# KiCad board mobo.kicad_pcb (continued)
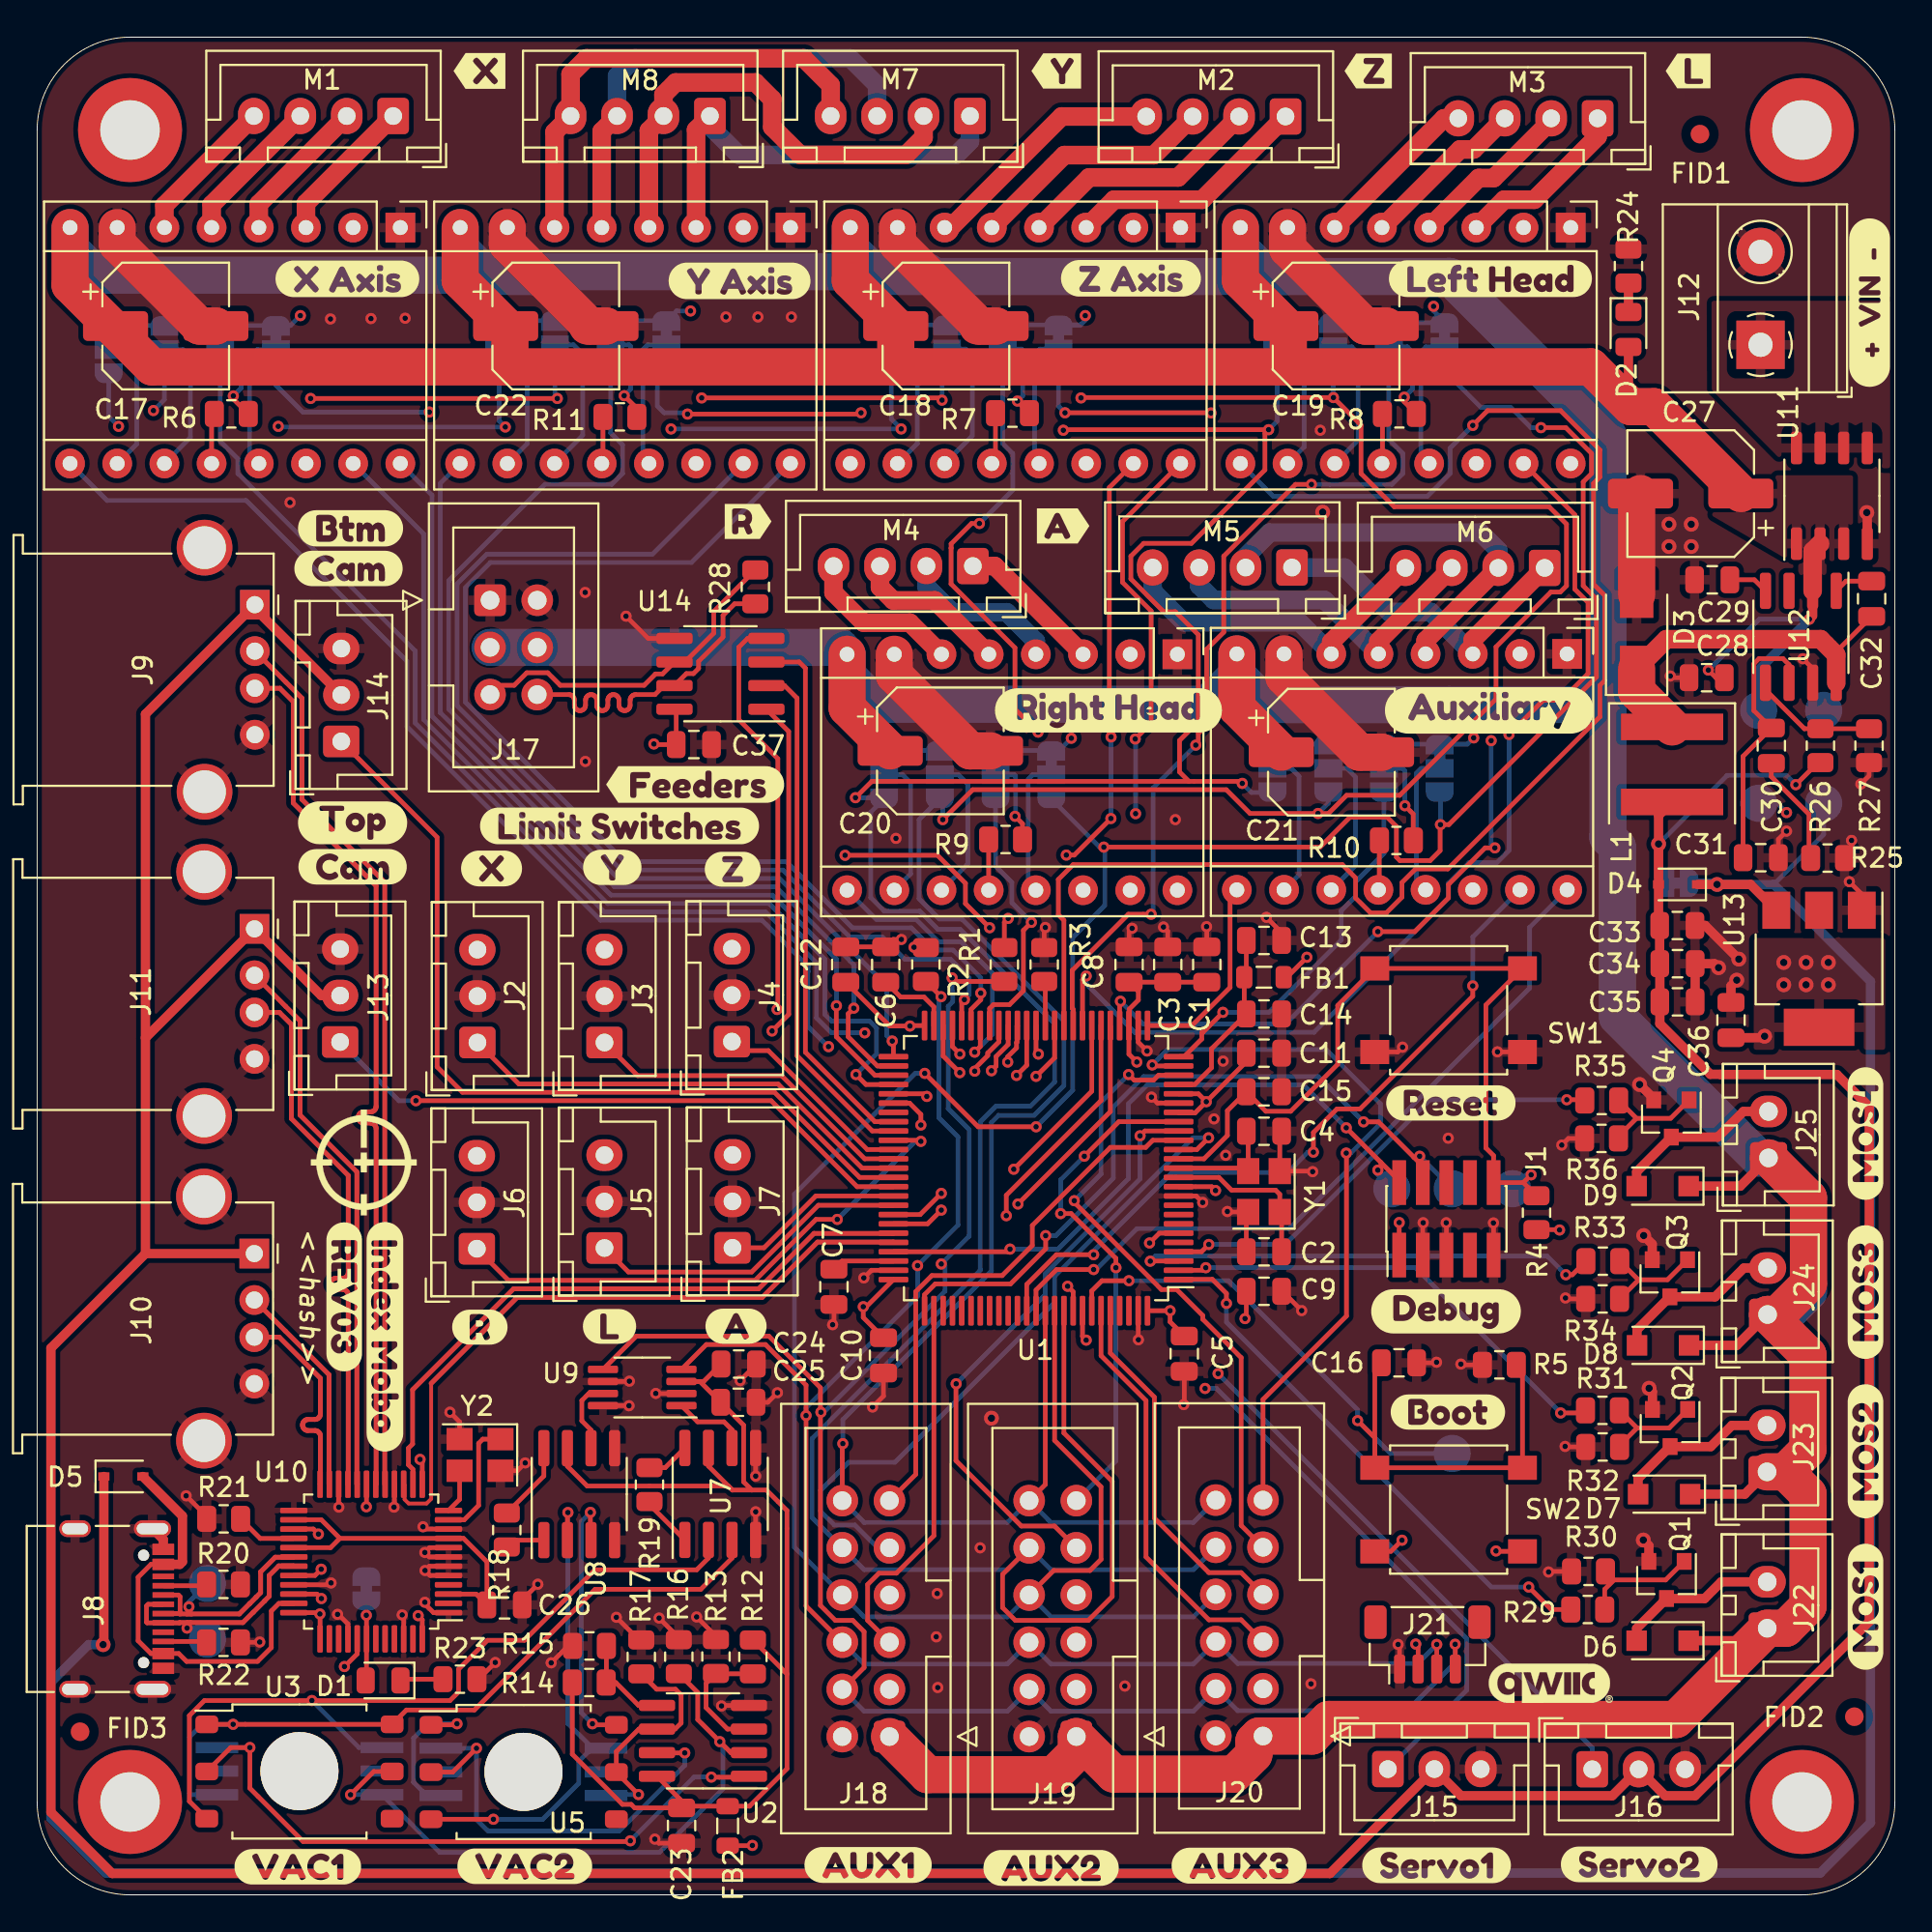
[diagram p0: board, top side]
## Routing (per net, layer and track width the routed paths; a pad name or vN(x,y) marks a point on that pad's centre or on a via; arc(x,y) is an arc through that point) (continued)
/Microcontroller/PA9_USART1_TX: length 38.7
  Top w0.25: v2(48.67,37.76) 47.53,36.62 U1.68 ; v2(39.83,47.66) 39.87,47.7 39.87,61.16 37.77,63.26 37.77,67.16 38.25,67.64 39.26,67.64
  In2.Cu w0.25: v2(39.83,47.66) 40.57,46.92 40.57,45.76 48.57,37.76 v2(48.67,37.76)
/Microcontroller/PA10_USART1_RX: length 34.5
  Top w0.25: v2(48.67,36.86) 47.93,36.12 U1.69 ; 39.26,63.83 40.45,62.63 40.45,47.39 v2(39.56,46.5)
  In2.Cu w0.25: v2(48.67,36.86) 39.56,45.97 v2(39.56,46.5)
/Microcontroller/PB0: length 82.6
  Top w0.25: v2(77.28,79.1) 78.08,79.9 82.01,79.9 84.13,77.78 84.13,76.32 83.78,75.98 83.78,70.55 84.39,69.94 84.39,65.37 84.13,65.11 84.13,63.42 75.94,55.23 74.2,55.23 73.47,54.5 73.47,53.7 72.63,52.86 71.77,52.86 70.97,53.66 70.97,54.75 70.26,55.46 55.77,55.46 54.97,54.66 54.97,52.76 55.27,52.46 U1.35
  Bottom w0.25: v2(77.28,79.1) 76.06,77.88 76.06,76.51 74.83,75.28 66.54,75.28 A3.9
/Microcontroller/PB1: length 40.7
  Top w0.25: v2(59.11,62.22) 59.97,63.08 59.97,69.11 58.42,70.65 58.42,73.92 A2.16 ; v2(53.77,44.06) 54.77,45.06 U1.36
  In2.Cu w0.25: v2(59.13,58.2) 59.13,57.09 57.43,55.39 57.43,47.72 v2(53.77,44.06)
  Bottom w0.25: v2(59.13,58.2) 59.13,62.2 v2(59.11,62.22)
/Microcontroller/PB6_I2C1_SCL: length 110.2
  Top w0.25: J21.4 76.34,13.48 v2(76.33,13.49) ; v2(49.25,49.36) 49.44,49.17 R1.2 ; J18.4 44.52,12.24 44.52,14.16 43.9,14.78 42.97,14.78 42.16,15.58 42.16,25.95 v2(42.19,25.98) 42.16,26.01 42.16,27.3 39.39,30.07 32.25,30.07 U9.5 ; U1.92 55.77,32.46 v2(55.47,32.76)
  In2.Cu w0.25: v2(48.67,33.96) 54.27,33.96 v2(55.47,32.76)
  Bottom w0.25: v2(48.67,33.96) 50.17,35.46 50.17,41.2 49.04,42.33 49.04,47.83 49.28,48.07 49.28,48.65 49.25,48.68 v2(49.25,49.36) ; v2(48.67,33.96) 48.77,33.96 48.87,33.86 ; v2(48.67,33.96) 48.77,33.86 48.87,33.86 ; 48.87,33.86 48.87,32.5 42.35,25.98 v2(42.19,25.98) ; v2(76.33,13.49) 76.33,12.5 73.74,9.91 64.62,9.91 J20.4 62.24,9.88 54.58,9.88 J19.4 52.22,9.88 44.52,9.88 J18.4
/Microcontroller/PB7_I2C1_SDA: length 99
  Top w0.25: R2.2 v2(48.66,48.35) ; J21.3 v2(75.34,13.48) ; U1.93 56.27,30.06 v2(56.47,29.86) ; J18.6 41.39,15.55 v2(41.39,25.8) 41.39,27.44 39.2,29.62 36.02,29.62 U9.4
  In2.Cu w0.25: v2(47.39,33.87) 51.4,29.86 v2(56.47,29.86)
  Bottom w0.25: v2(48.66,48.35) 48.54,48.23 48.54,41.83 49.57,40.8 49.57,36.06 47.39,33.88 v2(47.39,33.87) 47.39,32.23 41.39,26.22 v2(41.39,25.8) ; J18.6 44.52,12.42 52.22,12.42 J19.6 54.58,12.42 62.24,12.42 J20.6 64.62,12.45 74.31,12.45 v2(75.34,13.48)
/Microcontroller/PB10: length 54.9
  Top w0.25: v2(49.67,45.26) 49.27,45.66 U1.47
  In2.Cu w0.25: v2(62.87,27.26) 62.87,27.86 58.17,32.56 56.87,32.56 55.27,34.16 55.27,35.46 54.47,36.26 54.47,38.46 49.04,43.89 49.04,44.63 v2(49.67,45.26)
  Bottom w0.25: J15.1 76.96,11.02 76.96,13.79 63.49,27.26 v2(62.87,27.26)
/Microcontroller/PB11: length 54.9
  Top w0.25: U1.48 48.77,45.16 v2(49.67,44.26)
  In2.Cu w0.25: v2(63.57,28.06) 63.47,28.06 59.57,31.96 59.57,33.53 56.87,36.23 56.87,37.56 56.17,38.26 55.67,38.26 v2(49.67,44.26)
  Bottom w0.25: v2(63.57,28.06) 83.71,7.92 J16.1
/Microcontroller/PB12: length 58.3
  Top w0.25: U1.51 46.09,45.89 v2(46.03,45.96)
  Bottom w0.25: JP22.3 30.87,78.7 31.52,78.05 31.52,76.51 30.93,75.92 27.33,75.92 22.15,70.75 22.15,63.82 31.26,54.71 39.96,54.71 45.73,48.94 45.73,46.26 v2(46.03,45.96)
/Microcontroller/PB13: length 48.8
  Top w0.25: v2(43.96,47.73) 43.66,47.43 43.66,46.19 45.23,44.62 U1.52
  Bottom w0.25: A6.9 21.7,75.98 21.7,63.64 31.08,54.26 39.77,54.26 43.96,50.07 v2(43.96,47.73)
/Microcontroller/PB14: length 49.6
  Top w0.25: v2(43.03,47.86) 43.02,47.86 43.02,46.19 45.09,44.12 U1.53
  Bottom w0.25: A1.16 21.25,75.35 21.25,63.45 30.89,53.81 39.58,53.81 43.03,50.37 v2(43.03,47.86)
/Microcontroller/PB15: length 53.6
  Top w0.25: U1.54 44.61,43.62 v2(44.08,44.16)
  Bottom w0.25: A1.15 20.8,73.26 20.8,63.26 30.7,53.36 39.4,53.36 42.4,50.36 42.4,47.39 42.77,47.02 44.82,47.02 45.19,46.66 45.19,45.27 v2(44.08,44.16)
/Microcontroller/PC4: length 56.1
  Top w0.25: v2(56.47,49.46) 56.27,49.26 U1.33 ; v2(79.23,62.46) 81.08,64.31 82.06,64.31 83.49,65.74 83.49,69.57 82.78,70.28 82.78,74.28 A3.15
  Bottom w0.25: v2(79.23,62.46) 79.23,56.22 78.57,55.56 77.07,55.56 75.97,54.46 75.97,53.66 68.74,46.43 59.08,46.43 56.47,49.04 v2(56.47,49.46)
/Microcontroller/PC5: length 46.7
  Top w0.25: v2(59.97,52.79) 58.74,52.79 55.72,49.77 55.72,47.71 55.77,47.66 U1.34 ; v2(68.59,75.92) 67.74,75.92 63.87,72.06 63.87,67.97 62.96,67.05 62.96,62.97 62.51,62.52 62.51,62.03 v2(62.37,61.89)
  Bottom w0.25: v2(59.97,52.79) 60.07,52.89 60.07,59.59 v2(62.37,61.89) ; v2(68.59,75.92) 72.93,75.92 73.52,76.51 73.52,77.59 72.76,78.35 JP10.3
/Microcontroller/PD6: length 39.4
  Top w0.25: v2(77.28,48.93) 77.28,48.37 71.21,42.31 69.97,42.31 68.7,41.04 v2(68.7,39.98) ; U1.87 53.27,32.86 54.87,34.46 v2(56.87,34.46)
  Bottom w0.25: v2(77.28,48.93) 77.28,51.56 A5.15 ; v2(68.7,39.98) 68.4,39.98 67.31,38.88 61.09,38.88 56.87,34.66 v2(56.87,34.46)
/Microcontroller/PD7: length 40.5
  Top w0.25: U1.88 53.77,32.56 54.87,33.66 v2(56.87,33.66)
  Bottom w0.25: v2(56.87,33.66) 57,33.66 59.2,35.86 67.4,35.86 80.34,48.8 80.34,52.08 A5.16
/Microcontroller/PD8: length 62.7
  Top w0.25: v2(47.89,42.98) 47.75,43.12 U1.55
  In2.Cu w0.25: v2(47.89,42.98) 44.55,46.32 v2(44.55,46.4)
  Bottom w0.25: v2(44.55,46.4) 44.54,46.41 42.75,46.41 41.95,47.21 41.95,50.17 39.21,52.91 30.52,52.91 20.35,63.08 20.35,66.96 10.8,76.51 10.8,77.3 9.85,78.26 JP2.3
/Microcontroller/PD9: length 67.4
  Top w0.25: U1.56 46.96,42.62 47.57,42.01 v2(47.57,41.44)
  In2.Cu w0.25: v2(47.57,41.44) 45.87,41.44 42.6,44.71 v2(42.6,45.66)
  Bottom w0.25: A1.9 3.76,75.06 11.25,75.06 19.9,66.41 19.9,62.89 30.33,52.46 39.02,52.46 41.5,49.98 41.5,49.7 41.49,49.69 41.49,46.75 42.44,45.8 42.46,45.8 v2(42.6,45.66)
/Microcontroller/PD11: length 29.2
  Top w0.25: U1.58 45.09,41.62 41.35,45.36 41.35,66.03 41.02,66.36 39.26,66.36
/Microcontroller/PD12: length 28
  Top w0.25: U1.59 44.96,41.12 40.9,45.17 40.9,64.42 40.23,65.09 39.26,65.09
/Microcontroller/PE2: length 29.4
  Top w0.25: R29.1 81.5,15.36 v2(80.29,16.57) ; v2(64.02,31.84) 64.02,32.37 63.26,33.14 61.46,33.14 U1.1
  Bottom w0.25: v2(64.02,31.84) 64.02,30.83 78.28,16.57 v2(80.29,16.57)
/Microcontroller/PE3: length 25.3
  Top w0.25: R31.1 83.21,25.94 v2(82.01,25.94) ; v2(62.91,33.76) 62.77,33.62 U1.2
  Bottom w0.25: v2(82.01,25.94) 74.19,33.76 v2(62.91,33.76)
/Microcontroller/PE4: length 25.8
  Top w0.25: v2(82.29,33.38) 82.64,33.38 R33.1 ; U1.3 59.93,34.12 v2(59.92,34.11)
  Bottom w0.25: v2(59.92,34.11) 60.2,34.39 81.28,34.39 v2(82.29,33.38)
/Microcontroller/PE5: length 25.3
  Top w0.25: R35.1 83.27,42.8 v2(82.34,42.8) ; U1.4 62.68,34.62 v2(63.07,35.01)
  Bottom w0.25: v2(82.34,42.8) 74.97,42.8 67.18,35.01 v2(63.07,35.01)
/Microcontroller/PE7: length 35.8
  Top w0.25: v2(57.8,57.94) 55.83,55.97 v2(55.4,55.97) ; v2(53.9,45.26) 53.77,45.39 U1.38 ; v2(57.81,62.33) 57.71,62.43 57.71,75.75 A2.15
  In2.Cu w0.25: v2(55.4,55.97) 54.97,55.54 54.97,46.33 v2(53.9,45.26)
  Bottom w0.25: v2(57.81,62.33) 57.81,57.95 v2(57.8,57.94)
/Microcontroller/PE8: length 45.8
  Top w0.25: v2(52.72,44.11) 53.27,44.66 U1.39 ; v2(53.88,62.59) 52.63,63.84 52.63,67.13 49.19,70.57 49.19,72.49 49.2,72.5 49.2,72.72 50.3,73.82 v2(50.72,73.82)
  In2.Cu w0.25: v2(52.72,44.11) 52.9,44.29 52.9,52.86 52.47,53.29 52.47,54.61 53.22,55.36 53.67,55.36 54.07,55.76 54.07,62.4 v2(53.88,62.59)
  Bottom w0.25: JP6.3 51.98,78.13 52.52,77.59 52.52,75.62 v2(50.72,73.82)
/Microcontroller/PE9: length 43.2
  Top w0.25: v2(43.49,55.96) 48.47,55.96 49.97,54.46 49.97,53.36 v2(51.27,52.06) ; v2(52.24,44.83) 52.24,45.12 52.72,45.59 52.72,45.88 52.75,45.9 52.75,46.77 U1.40
  In2.Cu w0.25: v2(51.27,52.06) 52.24,51.09 v2(52.24,44.83) ; v2(43.49,55.96) 40.87,58.58 40.87,74.15 A2.9
/Microcontroller/PE10: length 20.6
  Top w0.25: U1.41 52.27,45.78 51.62,45.13 51.62,44.61 v2(51.37,44.36)
  In2.Cu w0.25: A4.16 61.38,50.17 54.07,42.86 52.57,42.86 51.37,44.06 v2(51.37,44.36)
/Microcontroller/PE11: length 28.2
  Top w0.25: v2(50.47,44.34) 50.47,44.48 51.17,45.18 51.17,45.32 51.77,45.92 U1.42
  In2.Cu w0.25: v2(50.47,44.34) 50.47,44.23 52.34,42.36 54.37,42.36 61.99,49.98 61.99,52.78 62.67,53.46 62.67,54.66 61.97,55.36 60.12,55.36 A4.15
/Microcontroller/PE12: length 14.4
  Top w0.25: U1.43 51.27,47.71 51.48,47.92 52.34,47.92 53.09,48.67 53.09,51.92 v2(53.52,52.35)
  Bottom w0.25: v2(53.52,52.35) 52.47,53.4 52.47,54.5 51.59,55.38 JP14.3
/Microcontroller/PE13: length 15.9
  Top w0.25: U1.44 50.77,45.67 v2(50.47,45.36)
  Bottom w0.25: v2(50.47,45.36) 51.42,46.32 51.42,49.61 49.72,51.31 48.51,51.31 47.32,52.5 45.18,52.5 A4.9
/Microcontroller/PE14: length 63.1
  Top w0.25: v2(50.8,48.54) 50.8,48.19 50.27,47.66 U1.45
  Bottom w0.25: v2(50.8,48.54) 50.8,49.37 49.31,50.86 48.25,50.86 47.05,52.05 43.89,52.05 40.33,55.61 31.64,55.61 23.05,64.2 23.05,70.38 24.4,71.72 35.22,71.72 A6.16
/Microcontroller/PE15: length 61
  Top w0.25: U1.46 49.77,48.04 v2(49.91,48.19)
  Bottom w0.25: v2(49.91,48.19) 50.17,48.44 50.17,49.36 49.17,50.36 46.71,50.36 45.51,51.56 43.75,51.56 40.14,55.16 31.45,55.16 22.6,64.01 22.6,70.56 24.21,72.17 33.13,72.17 A6.15
/Microcontroller/SWCLK: length 40.9
  Top w0.25: U1.76 47.77,32.31 48.34,32.88 52.39,32.88 54.29,34.78 v2(54.29,35.49) ; J1.4 74.59,39.23 74.11,39.7 ; 74.11,39.7 72.21,41.61 v2(71.4,41.61) ; 74.11,39.7 74.36,39.7 v2(74.42,39.76)
  Bottom w0.25: v2(71.4,41.61) 68.96,44.05 59.57,44.05 57.93,42.41 57.93,38.58 54.83,35.49 v2(54.29,35.49) ; v2(74.42,39.76) TP4.1
/Microcontroller/SWDIO: length 37.3
  Top w0.25: 72.33,39.42 73.32,38.44 J1.2 ; 72.33,39.42 v2(70.47,41.29) ; 72.33,39.42 72.33,39.17 v2(72.17,39.01) ; U1.72 52.23,34.62 v2(52.37,34.76)
  Bottom w0.25: TP5.1 72.17,38.76 v2(72.17,39.01) ; v2(70.47,41.29) 68.16,43.6 59.75,43.6 58.74,42.59 58.74,38.55 54.95,34.76 v2(52.37,34.76)
/Microcontroller/USB_D+: length 36.7
  Top w0.2: 21.21,27.53 21.21,21.32 20.96,21.06 20,21.06 19.78,21.28 19.78,22.05 U10.15
  Top w0.261: 21.21,27.53 25.84,32.16 39.03,32.16 42.01,35.14 46.08,35.14 U1.71
/Microcontroller/USB_D-: length 34.7
  Top w0.25: U10.14 20.23,22.91 19.99,23.15 19.99,24.04 20.21,24.27 20.21,27.19
  Top w0.261: U1.70 46.08,35.6 41.81,35.6 38.83,32.62 25.64,32.62 20.21,27.19
/Motor control/Motor AUX/1A: length 22.3
  Top w1: A5.4 74.74,67.52 M6.2
  Bottom w1: M6.2 78.65,72.38 77.7,73.33 66.34,73.33 65.05,72.04 M5.2
/Motor control/Motor AUX/1B: length 17.9
  Top w1: A5.3 77.28,67.56 M6.1
  Bottom w1: A5.3 75.02,69.06 72.77,69.06 70.38,71.45 M5.1
/Motor control/Motor AUX/2A: length 18.4
  Top w1: M6.3 72.2,67.48 A5.5
  Bottom w1: A5.5 69.3,69.7 63.33,69.7 62.55,70.48 M5.3
/Motor control/Motor AUX/2B: length 18.6
  Top w1: M6.4 69.66,67.44 A5.6
  Bottom w1: M5.4 60.05,70.18 61.73,68.5 67.96,68.5 A5.6
/Motor control/Motor AUX/MS0: length 8.1
  Bottom w0.25: A5.10 67.93,54.91 67.93,60.21 67.5,60.64 JP17.2
/Motor control/Motor AUX/MS1: length 8.3
  Bottom w0.25: A5.11 70.97,55.41 70.97,60.17 70.5,60.64 JP19.2
/Motor control/Motor AUX/MS2: length 4.8
  Top w0.25: 74.07,57.12 74.07,58.18 v2(73.62,58.63)
  Bottom w0.25: v2(73.62,58.63) 73.62,60.52 73.5,60.64 JP18.2
/Motor control/Motor AUX/RESET: length 7.8
  Bottom w0.25: JP20.2 74.5,60.64 74.25,60.39 74.25,54.59 A5.13
/Motor control/Motor left/1A: length 9.1
  Top w1: A3.4 77.6,92.42 78.41,92.42 81.5,95.5 M3.2
/Motor control/Motor left/1B: length 9.5
  Top w1: A3.3 78.97,91.25 80.6,91.25 84,94.66 M3.1
/Motor control/Motor left/2A: length 9
  Top w1: M3.3 77.32,93.95 76.59,93.95 A3.5
/Motor control/Motor left/2B: length 9.1
  Top w1: A3.6 75.73,95.63 M3.4
/Motor control/Motor left/MS0: length 7.8
  Bottom w0.25: JP9.2 67.76,83.33 68.2,82.89 68.2,77.94 A3.10
/Motor control/Motor left/MS1: length 7.9
  Bottom w0.25: A3.11 71.11,78.31 71.11,82.98 70.76,83.33 JP11.2
/Motor control/Motor left/MS2: length 5.2
  Top w0.25: R8.2 73.59,80.37 v2(73.59,80.62)
  Bottom w0.25: v2(73.59,80.62) 74.03,81.06 74.03,83.06 73.76,83.33 JP10.2
/Motor control/Motor left/RESET: length 7.6
  Bottom w0.25: A3.13 74.49,77.49 74.49,83.06 74.76,83.33 JP12.2
/Motor control/Motor right/1A: length 8.9
  Bottom w1: A4.4 53.76,67.48 52.2,69.04 49.26,69.04 47.87,70.43 M4.2
/Motor control/Motor right/1B: length 7.9
  Top w1: M4.1 51.55,71.53 A4.3
/Motor control/Motor right/2A: length 8.5
  Top w1: M4.3 45.37,70.39 46.08,69.68 48.32,69.68 A4.5
/Motor control/Motor right/2B: length 8.6
  Top w1: M4.4 42.87,70.1 44.49,68.48 46.98,68.48 A4.6
/Motor control/Motor right/MS0: length 7.8
  Bottom w0.25: A4.10 47.02,54.96 47.02,59.87 46.59,60.3 JP13.2
/Motor control/Motor right/MS1: length 8
  Bottom w0.25: A4.11 50.09,55.49 50.09,59.78 50.1,59.79 49.59,60.3 JP15.2
/Motor control/Motor right/MS2: length 4.7
  Top w0.25: v2(52.64,58.06) 53.04,57.66 R9.2
  Bottom w0.25: v2(52.64,58.06) 52.67,58.09 52.67,60.22 52.59,60.3 JP14.2
/Motor control/Motor right/RESET: length 7.5
  Bottom w0.25: JP16.2 53.59,60.3 53.35,60.06 53.35,54.49 A4.13
/Motor control/Motor X/1A: length 8
  Top w1: M1.2 11.93,91.02 A1.4
/Motor control/Motor X/1B: length 7.9
  Top w1: A1.3 14.47,91.06 M1.1
/Motor control/Motor X/2A: length 8
  Top w1: M1.3 9.39,90.98 A1.5
/Motor control/Motor X/2B: length 8
  Top w1: A1.6 6.85,90.94 M1.4
/Motor control/Motor X/MS0: length 7.8
  Bottom w0.25: JP1.2 4.85,83.18 5.36,82.67 5.36,78.1 A1.10
/Motor control/Motor X/MS1: length 7.9
  Bottom w0.25: A1.11 8.25,78.45 8.25,82.78 7.85,83.18 JP3.2
/Motor control/Motor X/MS2: length 4.7
  Top w0.25: v2(10.56,80.69) 10.56,80.52 R6.2
  Bottom w0.25: v2(10.56,80.69) 10.98,81.11 10.98,82.5 10.31,83.18 JP2.2
/Motor control/Motor X/RESET: length 7.5
  Bottom w0.25: JP4.2 11.85,83.18 11.44,82.77 11.44,77.54 A1.13
/Motor control/Motor Y/1A: length 25.8
  Top w1: M7.2 47.72,94.61 46.77,93.66 41.07,93.66 39.57,95.16 39.57,96.66 38.67,97.56 34.37,97.56 33.72,96.91 M8.2 32.93,94.97 A6.4
/Motor control/Motor Y/1B: length 23.2
  Top w1: M8.1 35.47,95.01 A6.3
  Bottom w1: M8.1 36.22,95.22 37.77,93.66 49.47,93.66 50.22,94.41 M7.1
/Motor control/Motor Y/2A: length 25.2
  Top w1: A6.5 30.39,94.93 M8.3
  Bottom w1: M8.3 31.22,97.91 32.17,98.86 43.77,98.86 45.22,97.42 M7.3
/Motor control/Motor Y/2B: length 25.2
  Top w1: A6.6 27.85,94.89 M8.4 28.72,98 29.57,98.86 41.27,98.86 42.72,97.42 M7.4
/Motor control/Motor Y/MS0: length 8
  Bottom w0.25: JP21.2 25.87,83.44 26.38,82.93 26.38,78.12 A6.10
/Motor control/Motor Y/MS1: length 8.2
  Bottom w0.25: JP23.2 28.87,83.44 29.37,82.94 29.37,78.57 A6.11
/Motor control/Motor Y/MS2: length 5.3
  Top w0.25: v2(31.6,80.7) 32.28,80.02 R11.2
  Bottom w0.25: v2(31.6,80.7) 31.95,81.05 31.95,83.36 31.87,83.44 JP22.2
/Motor control/Motor Y/RESET: length 7.6
  Bottom w0.25: JP24.2 32.87,83.44 32.61,83.18 32.61,77.37 A6.13
/Motor control/Motor Z/1A: length 13.2
  Top w1: M2.2 61.42,92.45 56.63,92.45 A2.4
/Motor control/Motor Z/1B: length 13.2
  Top w1: M2.1 62.72,91.25 57.97,91.25 A2.3
/Motor control/Motor Z/2A: length 13.3
  Top w1: A2.5 55.29,93.65 60.12,93.65 M2.3
/Motor control/Motor Z/2B: length 13.3
  Top w1: M2.4 55.15,95.73 49.17,89.75 A2.6
/Motor control/Motor Z/MS0: length 7.8
  Bottom w0.25: JP5.2 46.98,83.21 47.38,82.81 47.38,78.12 A2.10
/Motor control/Motor Z/MS1: length 7.9
  Bottom w0.25: JP7.2 49.98,83.21 50.34,82.85 50.34,78.54 A2.11
/Motor control/Motor Z/MS2: length 4.9
  Top w0.25: v2(52.77,80.41) 52.77,80.4 R7.2
  Bottom w0.25: v2(52.77,80.41) 53.06,80.7 53.06,83.13 52.98,83.21 JP6.2
/Motor control/Motor Z/RESET: length 7.4
  Bottom w0.25: JP8.2 53.98,83.21 53.69,82.92 53.69,77.29 A2.13
/RS485/RS-485+: length 18.3
  Top w0.25: R28.1 36.42,69.08 36.42,67.92 34.87,66.36 U14.6 33.66,65.72 33.28,65.72 32.67,65.11 28.16,65.11 27.48,65.79 26.36,65.79 25.68,65.11 24.88,65.11 J17.5
/RS485/RS-485-: length 18.3
  Top w0.25: R28.2 37.54,69.5 36.92,68.88 36.92,67.71 35.61,66.4 35.61,66.02 35.33,65.74 34.95,65.74 U14.7 33.74,65.09 33.26,64.61 32.22,64.61 32.15,64.6 32.09,64.58 32.03,64.54 31.99,64.5 31.95,64.44 31.93,64.38 31.92,64.31 31.92,64.05 31.91,63.98 31.89,63.92 31.85,63.86 31.81,63.81 31.75,63.78 31.69,63.75 31.62,63.75 31.55,63.75 31.49,63.78 31.43,63.81 31.39,63.86 31.35,63.92 31.33,63.98 31.32,64.05 31.32,64.31 31.31,64.38 31.29,64.44 31.25,64.5 31.21,64.54 31.15,64.58 31.09,64.6 31.02,64.61 30.95,64.6 30.89,64.58 30.83,64.54 30.79,64.5 30.75,64.44 30.73,64.38 30.72,64.31 30.72,64.05 30.71,63.98 30.69,63.92 30.65,63.86 30.61,63.81 30.55,63.78 30.49,63.75 30.42,63.75 30.35,63.75 30.29,63.78 30.23,63.81 30.19,63.86 30.15,63.92 30.13,63.98 30.12,64.05 30.12,64.31 30.11,64.38 30.09,64.44 30.05,64.5 30.01,64.54 29.95,64.58 29.89,64.6 29.82,64.61 29.75,64.6 29.69,64.58 29.63,64.54 29.59,64.5 29.55,64.44 29.53,64.38 29.52,64.31 29.52,64.05 29.51,63.98 29.49,63.92 29.45,63.86 29.41,63.81 29.35,63.78 29.29,63.75 29.22,63.75 29.15,63.75 29.09,63.78 29.03,63.81 28.99,63.86 28.95,63.92 28.93,63.98 28.92,64.05 28.92,64.31 28.91,64.38 28.89,64.44 28.85,64.5 28.81,64.54 28.75,64.58 28.69,64.6 28.62,64.61 J17.6
/USB/1.8: length 18.6
  Top w0.25: U10.29 15.8,18.69 16.3,19.19 ; U10.26 15.3,20.19 16.3,19.19 ; U10.3 23.63,16.19 C26.1 24.21,17.93 22.95,19.19 U10.9 16.3,19.19
/USB/1D+: length 11.6
  Top w0.261: J10.3 13.03,30.02 15.25,27.81 15.25,25.89 15.24,25.83 15.22,25.76 15.18,25.71 15.13,25.66 15.08,25.62 15.01,25.6 14.95,25.59 14.59,25.59 14.52,25.58 14.46,25.56 14.4,25.53 14.35,25.48 14.32,25.42 14.29,25.36 14.29,25.29 14.29,25.23 14.32,25.16 14.35,25.11 14.4,25.06 14.46,25.02 14.52,25 14.59,24.99 14.95,24.99 15.01,24.98 15.08,24.96 15.13,24.93 15.18,24.88 15.22,24.82 15.24,24.76 15.25,24.69 15.25,22.12 U10.24
/USB/1D-: length 11.6
  Top w0.261: U10.23 15.71,22.12 15.71,28 J10.2
/USB/2D+: length 29.7
  Top w0.261: U10.21 16.75,22.12 16.75,32.29 16.74,32.36 16.72,32.42 16.68,32.48 16.63,32.53 16.58,32.56 16.51,32.58 16.45,32.59 16.09,32.59 16.02,32.6 15.96,32.62 15.9,32.66 15.85,32.71 15.82,32.76 15.79,32.83 15.79,32.89 15.79,32.96 15.82,33.02 15.85,33.08 15.9,33.13 15.96,33.16 16.02,33.18 16.09,33.19 16.45,33.19 16.51,33.2 16.58,33.22 16.63,33.26 16.68,33.31 16.72,33.36 16.74,33.43 16.75,33.49 16.75,38.72 13.69,41.78 13.69,46.86 13.04,47.5 J11.3
/USB/2D-: length 29.7
  Top w0.261: J11.2 14.15,47.05 14.15,41.98 17.21,38.92 17.21,22.12 U10.20
/USB/3D+: length 47.8
  Top w0.261: U10.18 18.25,22.12 18.25,41.25 18.24,41.31 18.22,41.38 18.18,41.43 18.13,41.48 18.08,41.52 18.01,41.54 17.95,41.55 17.59,41.55 17.52,41.56 17.46,41.58 17.4,41.61 17.35,41.66 17.32,41.72 17.29,41.78 17.29,41.85 17.29,41.91 17.32,41.98 17.35,42.03 17.4,42.08 17.46,42.12 17.52,42.14 17.59,42.15 17.95,42.15 18.01,42.16 18.08,42.18 18.13,42.21 18.18,42.26 18.22,42.32 18.24,42.38 18.25,42.45 18.25,54.31 13.79,58.77 13.79,64.23 13.06,64.95 J9.3
/USB/3D-: length 47.8
  Top w0.261: U10.17 18.71,22.12 18.71,54.51 14.25,58.97 14.25,64.42 J9.2
/USB/DRV: length 4.3
  Top w0.25: v2(17.72,15.05) 17.73,15.04 U10.42 17.73,11.59 D1.2
  Bottom w0.25: v2(17.72,15.05) JP25.1
/USB/MD+: length 13.5
  Top w0.25: J8.A6 5.97,15.64 5.88,15.55 5.88,14.68 5.92,14.64 J8.B6 ; v2(8.07,14.36) 8.07,14.36 8.07,14.66 8.27,14.66
  Top w0.261: J8.B6 7.66,14.64 7.68,14.66 11.08,14.66 11.63,15.22 11.64,15.22 12.25,15.83 12.25,15.83 12.49,16.07 12.49,17.19 13.01,17.71 13.8,17.71 U10.31
  Bottom w0.25: v2(8.07,14.36) 8.57,14.36 TP2.1
/USB/MD-: length 14
  Top w0.25: v2(8.17,15.51) 8.17,15.23 8.06,15.12 8.31,15.12 ; J8.A7 7.61,15.14 7.7,15.23 7.7,16.05 7.61,16.14 J8.B7
  Top w0.261: U10.30 13.8,18.17 12.81,18.17 12.03,17.39 12.03,16.27 11.79,16.02 11.79,16.02 11.45,15.68 11.44,15.68 10.88,15.12 7.68,15.12 7.66,15.14 J8.A7
  Bottom w0.25: TP1.1 8.17,15.76 v2(8.17,15.51)
/Vacuum sensors/Vacuum sensor 1/OUT: length 4.2
  Top w0.25: U9.1 35.55,25.46 36.97,25.46 37.41,25.03 37.41,24.06
/Vacuum sensors/Vacuum sensor 2/OUT: length 4.1
  Top w0.25: U8.6 29.81,25.02 29.32,25.52 29.32,26.61 29.69,26.99 U9.7
VDC: length 506.3
  Top w0.25: 95.58,68.84 v2(95.4,68.67) ; v2(89.96,65.93) 90.37,65.52 C28.2
  Top w0.5: D6.1 92.46,13.68 J22.1 ; 85.78,80.11 85.66,80.23 D2.2 ; D9.1 91.68,38.15 J25.1 ; J23.1 91.92,21.57 D7.1 ; J24.1 91.49,29.58 D8.1 ; U12.2 95.58,68.84
  Top w1: U12.2 95.58,72.34 U11.2
  Top w2: 46.45,82.25 46.22,82.48 C18.1 43.77,86.9 A2.8 ; 46.45,82.25 67.35,82.25 ; 46.45,82.25 25.45,82.25 ; A4.8 43.6,63.9 C20.1 ; 25.45,82.25 25.45,84.22 C22.1 22.77,86.9 A6.8 ; 25.45,82.25 6.18,82.25 1.77,86.66 A1.8 ; J18.1 47.93,6.47 54.74,6.47 55.94,7.67 J19.1 57.96,6.5 64.43,6.5 65.5,7.57 65.5,8.28 65.77,8.55 J20.1 68.63,8.55 69.52,9.44 88.22,9.44 J22.1 94.13,14.35 95.33,15.55 95.33,21.56 94.12,22.77 ; J25.1 95.35,37.52 95.35,32.89 93.7,31.24 J24.1 95.32,29.07 95.32,23.97 94.12,22.77 ; 67.35,82.25 83.64,82.25 85.78,80.11 87.03,80.11 C27.1 ; 67.35,82.25 67.35,84.32 64.77,86.9 A3.8 ; 94.12,22.77 J23.1 ; A5.8 64.58,63.9 C21.1
  Bottom w0.25: v2(89.96,65.93) 92.7,68.67 v2(95.4,68.67)
  Bottom w0.5: TP8.1 92.67,65.94 v2(95.4,68.67)
  Bottom w2: J22.1 94.13,14.35 95.33,15.55 95.33,21.56 94.12,22.77 ; A3.8 64.77,88.62 66.27,87.12 67.32,87.12 ; 67.32,87.12 48.18,87.12 ; 67.32,87.12 76.03,87.12 84.55,78.6 84.55,65.23 ; J23.1 94.12,22.77 ; 94.12,22.77 95.32,23.97 95.32,29.07 J24.1 94.15,31.24 95.35,32.44 95.35,37.52 J25.1 92.65,39.67 85.06,47.26 85.06,56.42 84.55,56.93 84.55,65.23 ; 64.58,65.67 66.18,64.07 83.39,64.07 84.55,65.23 ; 64.58,65.67 A5.8 ; 64.58,65.67 63,64.09 45.16,64.09 43.6,65.65 A4.8 43.23,67.15 J17.4 J17.3 ; 26.72,87.12 24.27,87.12 22.77,88.62 A6.8 ; 26.72,87.12 26.97,87.37 47.93,87.37 48.18,87.12 ; 26.72,87.12 26.65,87.19 3.2,87.19 1.77,88.62 A1.8 ; 48.18,87.12 45.27,87.12 43.77,88.62 A2.8
Net-(A1-Pad12): length 2.7
  Top w0.25: A1.12 9.39,79.57 R6.1
Net-(A2-Pad12): length 2.8
  Top w0.25: A2.12 51.59,77.25 R7.1
Net-(A3-Pad12): length 2.7
  Top w0.25: R8.1 72.42,77.08 A3.12
Net-(A4-Pad12): length 2.7
  Top w0.25: A4.12 51.22,56.81 R9.1
Net-(A5-Pad12): length 3
  Top w0.25: A5.12 72.25,54.15 72.25,57.12
Net-(A6-Pad12): length 2.5
  Top w0.25: R11.1 30.46,77.12 A6.12
Net-(C2-Pad1): length 9
  Top w0.25: U1.12 63.61,38.62 64.3,37.93 66.67,37.93 66.89,37.71 Y1.1 66.99,36.66 C2.1
Net-(C4-Pad1): length 6
  Top w0.25: C4.1 65.19,41 Y1.3 65.03,39.12 U1.13
Net-(C6-Pad1): length 4.1
  Top w0.25: U1.49 48.27,47.8 47.74,48.33 46.48,48.33 C6.1
Net-(C7-Pad1): length 3.4
  Top w0.25: U1.73 43.33,34.12 C7.1
Net-(C29-Pad2): length 2.2
  Top w0.25: C29.2 92.44,70.79 U12.4
Net-(C30-Pad1): length 5.9
  Top w0.25: C30.1 93.35,60.19 95.38,58.17 95.38,55.89
Net-(C30-Pad2): length 14.6
  Top w0.25: C31.2 91.83,61.29 C30.2 92.41,63.75 92.41,66.27 92.69,66.55 93.98,66.55 94.3,66.22 94.3,65.25
Net-(C32-Pad1): length 2.1
  Top w0.25: U12.1 97.37,70.72 C32.1
Net-(C32-Pad2): length 21.5
  Top w0.25: U12.8 96.85,66.92 C32.2
  Top w1: U12.8 96.85,66.75 96,67.59 87.7,67.59 D3.1
  Top w2: L1.1 86.1,64.78 D3.1
Net-(D1-Pad1): length 2.3
  Top w0.25: R23.1 19.63,11.61 D1.1
Net-(D2-Pad1): length 1.6
  Top w0.5: D2.1 R24.1
Net-(D6-Pad2): length 8.7
  Top w0.5: J22.2 90.66,16.85 89.76,15.95 Q1.3 86.1,14.34 D6.2
Net-(D7-Pad2): length 9
  Top w0.5: J23.2 91.23,25.27 90.09,24.13 Q2.3 86.18,22.41 D7.2
Net-(D8-Pad2): length 9.2
  Top w0.5: D8.2 86.12,30.42 Q3.3 90.32,32.19 91.87,33.74 J24.2
Net-(D9-Pad2): length 9.2
  Top w0.5: J25.2 91.85,42.17 90.47,40.79 Q4.3 86.1,38.92 D9.2
Net-(J8-PadA5): length 2.4
  Top w0.25: J8.A5 9.05,16.64 R20.1
Net-(J8-PadB5): length 2.3
  Top w0.25: R22.1 9.07,13.64 J8.B5
Net-(Q1-Pad1): length 6.6
  Top w0.25: 84.88,16.95 84.38,16.45 R29.2 ; 84.88,16.95 R30.2 ; 84.88,16.95 87.66,16.95 Q1.1
Net-(Q2-Pad1): length 5.9
  Top w0.25: 86.12,25.13 R31.2 ; 86.12,25.13 85.18,24.19 R32.2 ; 86.12,25.13 87.85,25.13 Q2.1
Net-(Q3-Pad1): length 6
  Top w0.25: 86.19,33.11 R33.2 ; 86.19,33.11 87.76,33.11 Q3.1 ; 86.19,33.11 86.19,33.09 R34.2
Net-(Q4-Pad1): length 6.1
  Top w0.25: R36.2 85.12,40.83 86.09,41.8 ; 86.09,41.8 87.93,41.8 Q4.1 ; 86.09,41.8 R35.2
Net-(R12-Pad2): length 6.8
  Top w0.25: R12.2 36.56,11.9 R13.1 36.01,11.39 36.01,10.07 37.16,8.93 38.31,8.93
Net-(R14-Pad2): length 5.2
  Top w0.25: R15.1 30.64,11.44 R14.2 31.15,11.43 32.38,10.19 U2.5
Net-(R16-Pad1): length 34.5
  Top w0.25: R16.1 35.56,10.89 35.56,9.44 v2(36.75,8.25) 37.34,7.66 U2.2 ; v2(16.87,5.39) 18.12,6.64 U3.5
  Bottom w0.25: v2(16.87,5.39) 18.56,5.39 21.67,2.28 33.49,2.28 36.92,5.71 36.92,8.08 v2(36.75,8.25)
Net-(R17-Pad1): length 12.8
  Top w0.25: v2(32.37,5.4) 31.18,6.59 U5.5 31.18,7.71 32.39,8.93 34.34,8.93 34.67,9.25 34.67,10.76 34.36,11.07 33.35,11.07 R17.1
  Bottom w0.25: v2(32.37,5.4) 30.67,5.4 30.62,5.35
Net-(R18-Pad1): length 2.1
  Top w0.25: U8.1 25.65,19.09 R18.1
Net-(R18-Pad2): length 4.3
  Top w0.25: R18.2 27.28,22.55 U8.8
Net-(R19-Pad1): length 2.9
  Top w0.25: R19.1 32.96,21.01 U7.1
Net-(R19-Pad2): length 2.3
  Top w0.25: R19.2 33.81,23 U7.8
Net-(R21-Pad1): length 3.3
  Top w0.25: U10.28 13.46,19.19 13.45,19.18 12.01,19.18 R21.1
Net-(R26-Pad2): length 6.8
  Top w0.25: R27.1 R26.2 95.13,62.77 93.04,64.87 U12.5
Net-(U2-Pad1): length 36.4
  Top w0.25: v2(31.93,2.91) 31.93,2.87 14.32,2.87 11.45,5.74 v2(11.45,7.93) 10.42,7.93 U3.2 ; v2(36.29,6.34) 36.3,6.33 38.26,6.33 U2.1
  Bottom w0.25: v2(36.29,6.34) 35.36,6.34 v2(31.93,2.91) ; U6.6 v2(11.45,7.93)
Net-(U2-Pad7): length 23.8
  Top w0.25: U5.2 22.37,6.61 v2(23.65,7.89) ; v2(34.86,7.64) 33.38,7.64 U2.7
  Bottom w0.25: v2(34.86,7.64) 34.86,6.96 31.34,3.44 24.26,3.44 23.65,4.06 v2(23.65,7.89) U4.6
Net-(U3-Pad1): length 40.1
  Top w0.25: U3.1 v2(10.55,9.18) U3.6 19.88,9.95 23.54,9.95 30.04,16.45 35.73,16.45 37.41,18.13 37.41,19.1
  Bottom w0.25: U6.4 8.28,5.39 8.2,5.47 8.2,8.49 8.89,9.18 v2(10.55,9.18)
Net-(U3-Pad3): length 43.9
  Top w0.25: U3.3 8.19,5.04 8.19,9.65 9,10.46 v2(14.79,10.46) 22.22,10.46 22.69,10.92 22.69,12.15 24.24,13.7 26.22,13.7 30.02,17.5 35.5,17.5 36.14,18.13 U7.2
  Bottom w0.25: 18.56,7.93 17.32,7.93 v2(14.79,10.46)
Net-(U4-Pad1): length 27.2
  Top w0.25: U5.3 v2(24.56,4.07) ; v2(28.57,20.58) 28.55,20.56 U8.2
  Bottom w0.25: v2(28.57,20.58) 28.57,9.22 29.9,7.89 30.62,7.89 29.86,7.89 29.15,7.18 29.15,6 27.21,4.06 24.57,4.06
Net-(U4-Pad4): length 30.2
  Top w0.25: v2(29.78,20.59) 29.78,19.13 U8.3 ; U5.6 29.95,9.15 v2(29.89,9.21) ; v2(22.6,9.21) 22.54,9.15 U5.1
  In2.Cu w0.25: v2(22.6,9.21) v2(29.89,9.21)
  Bottom w0.25: v2(29.89,9.21) 29.28,9.82 29.28,20.09 v2(29.78,20.59) ; v2(22.6,9.21) 21.04,9.21 20.26,8.43 20.26,6.06 20.97,5.35 U4.4
Net-(U10-Pad11): length 6.6
  Top w0.25: Y2.1 23.99,24.53 23.77,24.31 23.77,20.97 22.99,20.19 U10.11
Net-(U10-Pad12): length 2.4
  Top w0.25: Y2.3 22.74,21.29 U10.12

## Copper pours and planes (outline as drawn; the poured copper is in the pictures)
+3V3 on Top: 97.07,51.51 99.48,51.51 99.48,45.49 92.4,45.49 92.41,51.51 94.99,51.51 95.01,54.3 97.07,54.3
+3V3 on In2.Cu: 101.77,-1.04 -0.83,-1.24 -1.23,101.06 101.37,100.86
GND on Top: 101.72,-1.04 -0.88,-1.24 -1.28,101.06 101.32,100.86
GND on Bottom: 101.69,-1.04 -0.91,-1.24 -1.31,101.06 101.29,100.86
GND on In1.Cu: 101.77,-1.04 -0.83,-1.24 -1.23,101.06 101.37,100.86
VDC on Top: 97.75,71.8 96.33,71.79 96.31,69.57 94.8,69.57 94.8,71.8 94.35,71.8 89.72,74.49 89.72,76.42 97.75,76.42
Net-(J12-Pad1) on Top: 99.77,76.79 94.31,76.79 90.15,81.01 90.13,85.81 99.76,85.81

## Text on the board
F.Silkscreen: <<hash>>
